# Allegro board T736_DEMO_DBOARD_V0-5-draft.brd (continued)
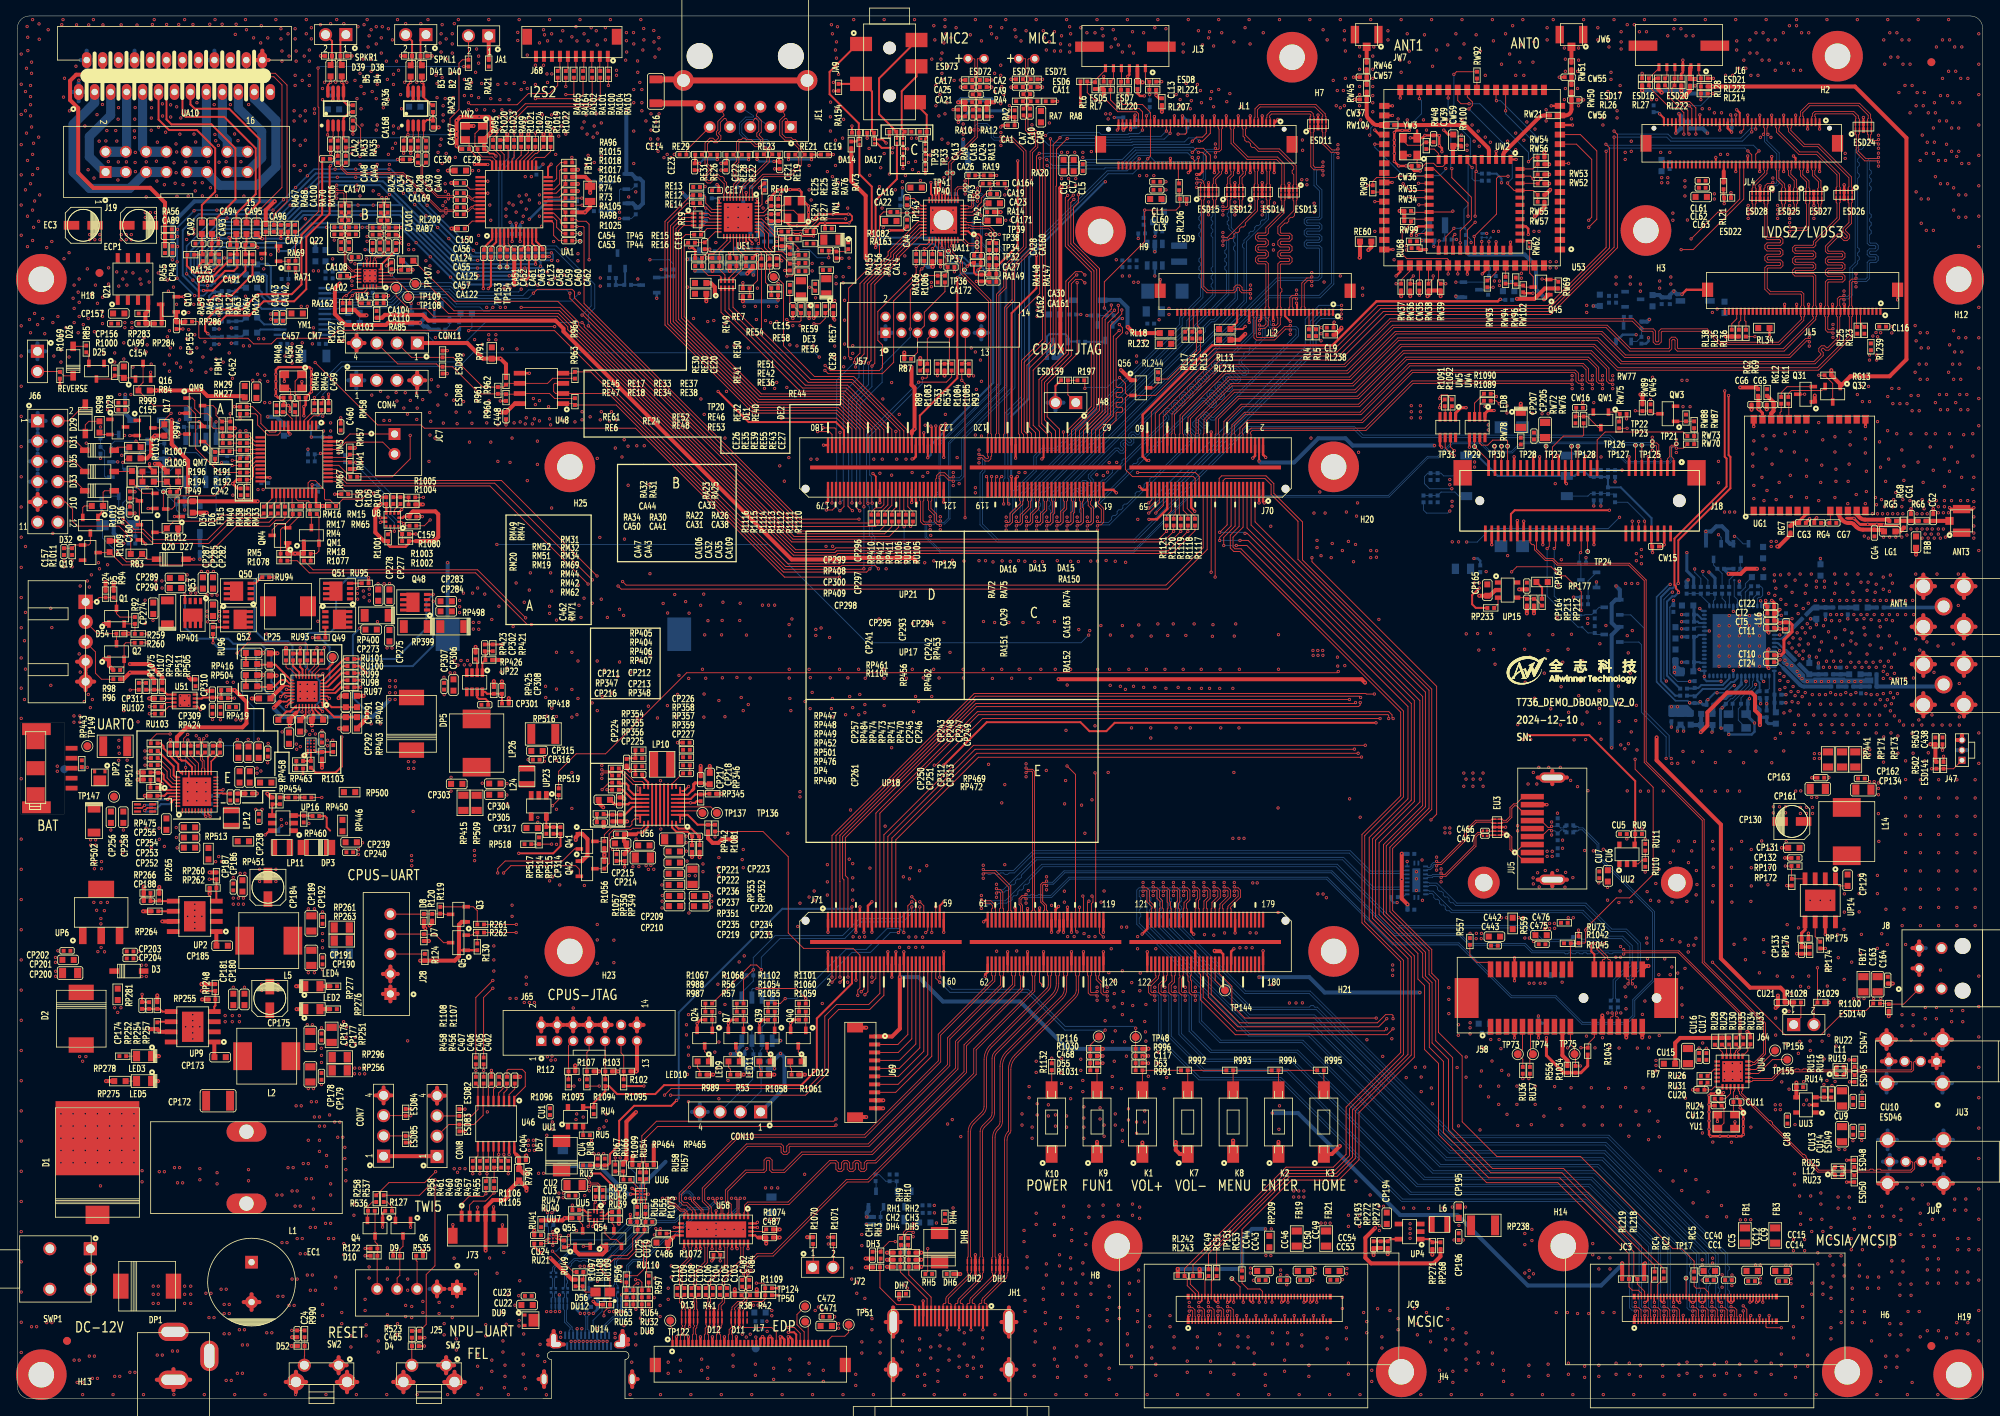
[diagram p0: board, top side]
## Routing (per net, layer and track width the routed paths; a pad name or vN(x,y) marks a point on that pad's centre or on a via; arc(x,y) is an arc through that point) (continued)
  BOTTOM w0.254: RU38.2 CU18.2 73.01,24.39 v1(72.82,24.21)
N21714047: length 2.2
  TOP w0.114: Q22.1 33.93,142.56 RA69.1 RA71.2
N21965042: length 1.9
  TOP w0.114: UM3.17 29.37,118.48 RM69.2
N22129963: length 2.3
  TOP w0.114: QW3.1 RW88.2 RW87.1
N22132037: length 2
  TOP w0.203: v1(25.78,76.33) 25.73,76.27 UP18.16
  BOTTOM w0.254: v1(25.78,76.33) 25.78,76.25 CP244.2
N22132067: length 2.4
  TOP w0.254: UP16.4 31.92,74.46 RP458.1 RP454.1
N22132074: length 2.4
  TOP w0.254: RP450.2 36.93,73.07 RP460.1 35.86,73.09 UP16.3
N22132077: length 2.8
  TOP w0.254: RP450.1 38.53,73.03 38.75,72.81 38.75,71.63 39.18,71.2
N22132080: length 2.1
  TOP w0.254: UP16.6 31.57,71.19 v1(31.05,70.66)
  BOTTOM w0.254: RP459.1 31.51,71.12 v1(31.05,70.66)
N22132110: length 4.6
  TOP w0.254: RP484.2 19.99,80.56 v1(20.31,80.24) 20.57,79.97 21.07,79.97 21.88,79.16 UP18.27
  BOTTOM w0.254: CP260.2 19.65,80.9 v1(20.31,80.24)
N22132190: length 2.5
  TOP w0.254: RP453.1 38.67,81.06 38.67,81.06 RP462.2 37.41,81.06 UP17.C1
N22132221: length 5.7
  TOP w0.203: v1(18.83,75.1) 18.83,75.2 19.1,75.47 UP18.37 ; RP475.5 15.61,74.04 v1(15.93,74.36)
  BOTTOM w0.254: v1(15.93,74.36) 15.99,74.43 CP259.1 17.19,74.43 17.86,75.1 v1(18.83,75.1)
N22132227: length 6
  TOP w0.203: RP475.2 16.28,74.04 v1(15.95,73.71) ; UP18.38 19.57,75.07 v1(19.3,74.8)
  BOTTOM w0.254: v1(19.3,74.8) 19.3,74.76 19.05,74.51 18.01,74.51 17.08,73.58 CP259.2 16.08,73.58 v1(15.95,73.71)
N22132254: length 1.7
  TOP w0.203: UP18.8 23.48,73.1 v1(23.61,72.97)
  BOTTOM w0.254: v1(23.61,72.97) 23.06,73.52 RP491.1
N22132255: length 1.6
  TOP w0.203: UP18.9 23.88,73.33 24.14,73.06 v1(24.14,72.97)
  BOTTOM w0.254: v1(24.14,72.97) 24.23,73.06 RP492.1
N22132281: length 1.8
  TOP w0.203: 25.75,75.84 25.72,75.87 UP18.15
  TOP w0.254: CP250.2 25.75,75.84
N22132296: length 2.8
  TOP w0.112: RP470.2 23.17,80.66 23.17,80.17 23.4,79.94 23.4,79.04 23.48,78.95 UP18.23
N22132297: length 2.8
  TOP w0.112: RP471.2 22.93,80.66 22.93,80.07 23.16,79.84 23.16,79.04 23.08,78.95 UP18.24
N22132299: length 2.7
  TOP w0.203: UP18.36 18.72,75.87
  TOP w0.254: RP490.2 18.41,75.56 18.72,75.87
N22132301: length 1
  TOP w0.508: RP472.1 28.55,75.84 CP251.1
N22132398: length 3
  TOP w0.203: UP18.21 24.28,79.86 CP246.1
N22132400: length 2.8
  TOP w0.203: CP245.1 23.88,80.35 UP18.22
N22323733: length 15.4
  TOP w0.114: J18.17 197.91,120.16 198.91,121.16 208.7,121.16 RW73.1
N22345920: length 8.6
  TOP w0.114: RW76.1 196.22,120.78 196.09,120.65 193.68,120.65 192.31,119.28 J18.31
N22346232: length 2.3
  TOP w0.114: J18.20 196.71,106.19 TP24.1
N22346818: length 2.9
  TOP w0.114: J18.13 TP126.1
N22346864: length 2.9
  TOP w0.114: J18.11 TP125.1
N22347105: length 2.7
  TOP w0.114: J18.23 TP127.1
N22347115: length 2.7
  TOP w0.114: J18.25 TP128.1
N22348557: length 2.7
  TOP w0.114: TP27.1 J18.33
N22439362: length 1.3
  TOP w0.114: UU6.C1 78.69,25.1 RU55.1
N22439364: length 1.3
  TOP w0.114: UU6.A1 77.65,25.12 RU56.1
N22446567: length 2.7
  TOP w0.203: 19.27,76.27 UP18.35
  TOP w0.254: DP4.2 17.91,76.58 18.21,76.27 19.27,76.27
N22477760: length 1.6
  TOP w0.114: RU58.1 78.16,27.34 UU6.B3
N22477763: length 1.6
  TOP w0.114: UU6.C3 78.56,27.28 RU57.1
N22477846: length 2.4
  TOP w0.076: 77.72,26.49 77.96,26.26 77.96,25.83 UU6.B2
  TOP w0.114: 77.72,26.49 76.78,27.44 RU59.1
N22983617: length 4.2
  TOP w0.254: U56.6 84.37,75.17 84.93,75.74 RP346.1 86.07,75.74 86.15,75.82 RP345.2
N22984469: length 5.2
  TOP w0.254: U56.22 77.09,74.17 76.12,73.2 CP213.1 RP348.1 73.53,73.2 RP347.1
N22984485: length 1
  TOP w0.254: CP216.1 RP347.2
N22987247: length 7.2
  TOP w0.508: RP353.2 v1(84.52,67.88)
  L3 w0.381: v1(84.52,67.88) 84.52,66.64 84.12,66.24 81.6,66.24 81.24,65.89 81.24,64.88 v1(80.75,64.39)
N22987298: length 4.8
  TOP w0.254: U56.29 82.52,71.76 82.83,71.45 84.42,71.45 CP223.2 85.47,70.4 RP352.1
N22987301: length 4.6
  TOP w0.254: U56.28 82.02,71.59 82.55,71.06 83.97,71.06 CP223.1 84.52,70.46 RP353.1
N22987974: length 2.2
  TOP w0.254: CP224.1 76.41,80.26 RP355.2 RP354.2
N22988287: length 1
  TOP w0.254: CP225.1 RP356.1
N22988714: length 1
  TOP w0.114: CP227.1 RP359.2
N23045095: length 2.6
  BOTTOM w0.114: RL228.2 141.27,146.98 RL227.2 141.27,145.01 UL1.4
N23087687: length 3.7
  TOP w0.114: U56.18 77.73,76.71 77.46,76.99 77.14,76.99 75.77,78.36 75.61,78.36 RP404.2
N23087708: length 4.3
  TOP w0.114: RP405.2 75.63,78.71 75.92,78.71 77.29,77.34 78.28,77.34 78.52,77.11 U56.17
N23087828: length 3.4
  TOP w0.254: RP407.2 75.82,76.33 76.97,75.17 U56.20
N23087831: length 3.8
  TOP w0.254: RP406.2 75.47,77.1 76.28,77.1 76.56,76.82 76.56,76.38 77.26,75.67 U56.19
N23169507: length 11.3
  TOP w0.112: JU3.2 237.67,42.28 237.56,42.16 237.56,41.21 237.3,40.96 230.56,40.96 ESD45.2 229.75,40.96 229.17,40.96 RU19.2
N23169508: length 10.9
  TOP w0.112: JU3.3 237.21,42.28 237.32,42.16 237.32,41.31 237.21,41.2 230.56,41.2 ESD47.2 229.75,41.2 229.17,41.2 RU22.2
N23169528: length 11.5
  TOP w0.112: RU23.2 228.95,28.4 229.71,28.4 ESD50.2 230.53,28.4 237.27,28.4 237.68,28.81 237.68,29.59 237.79,29.7 JU4.2
N23169529: length 11.4
  TOP w0.112: RU25.2 228.95,28.64 229.71,28.64 ESD48.2 230.53,28.64 230.92,28.64 231.04,28.76 231.38,28.76 231.5,28.64 231.99,28.64 232.11,28.76 232.45,28.76 232.57,28.64 232.91,28.64 233.03,28.76 233.37,28.76 233.49,28.64 237.17,28.64 237.44,28.91 237.44,29.59 237.33,29.7 JU4.3
N23225390: length 4.2
  TOP w0.114: J25.3 50.07,17.21 49.96,17.33 R535.2
N23225407: length 6.9
  TOP w0.114: Q6.3 48.31,19.1 47.92,18.71 D9.2 47.92,15.46 47.57,15.11 J25.4
N23225411: length 9.9
  TOP w0.114: J25.5 45.07,17.88 D10.2 R122.1 45.1,19.36 44.81,19.66 Q4.3 44.81,23.51 R536.2
N23225519: length 3.1
  TOP w0.114: Q4.2 43.86,23.01 43.92,23.08 R536.1 43.92,24.11 44.46,24.65 R258.1
N23225586: length 3.2
  TOP w0.114: R537.1 46.35,24.65 46.93,24.06 R127.2 47.36,23.12 Q6.2
N23229128: length 2.4
  TOP w0.114: R1054.2 R1055.2 94.87,47.48 Q39.1
N23229168: length 2.1
  TOP w0.114: LED11.2 94.38,43.04 93.92,43.49 Q39.3
N23229189: length 1.7
  TOP w0.114: LED11.1 92.95,41.49 93.15,41.29 R1058.1
N23229204: length 2.4
  TOP w0.114: Q40.1 98.78,47.5 R1059.2 R1060.2
N23229233: length 2.1
  TOP w0.114: Q40.3 97.83,43.47 98.25,43.05 LED12.2
N23229265: length 1.7
  TOP w0.114: R1061.1 96.98,41.34 96.82,41.5 LED12.1
N23258675: length 1.4
  TOP w0.114: RW92.2 182.84,165.45 U53.24
N23258767: length 2.4
  TOP w0.114: U53.59 185.24,141.18 184.22,140.15 RW93.2
N23258775: length 1.4
  TOP w0.114: RW94.2 186.44,140.62 U53.60
N23263833: length 1.7
  TOP w0.508: 238.25,53.11 J8.2 237.42,53.94
N23264918: length 1.9
  TOP w0.114: J68.5 69.97,166.66 RA102.2
N23264955: length 1.9
  TOP w0.114: RA100.2 71.97,166.45 J68.3
N23264967: length 1.9
  TOP w0.114: J68.4 70.97,166.52 RA101.2
N23264979: length 1.9
  TOP w0.114: J68.1 73.97,166.49 RA103.1
N23264991: length 1.9
  TOP w0.114: J68.2 72.97,166.47 RA104.1
N23292571: length 2.4
  BOTTOM w0.254: RA137.2 27.39,135 RA136.2 28.16,135.04 CA165.2
N23292575: length 2.4
  BOTTOM w0.254: RA138.2 27.39,133.1 RA135.2 28.16,133.14 CA166.2
N23292599: length 2.2
  BOTTOM w0.254: RA117.2 27.35,142.04 RA121.2 27.48,142.16 CA146.2
N23292601: length 2.2
  BOTTOM w0.254: CA148.2 27.52,140.89 RA120.2 26.5,140.81 RA118.2
N23292656: length 2.3
  BOTTOM w0.254: CA149.2 27.82,139.24 RA119.2 27.39,138.81 RA122.2
N23292678: length 2.3
  BOTTOM w0.254: CA150.2 28.41,136.95 RA116.2 26.5,136.95 RA123.2
N23292773: length 3.9
  BOTTOM w0.114: RL237.2 55.52,135.09 RA143.2 54.92,134.92 54.67,135.17 Q47.1 54.14,134.51 RA132.2
N23300990: length 4.5
  BOTTOM w0.114: Y5.2 21.36,122.36 R965.2 C451.1 21.08,121.58 U43.1
N23301004: length 4.4
  BOTTOM w0.114: U43.2 22.35,121.37 R965.1 C450.1 23.83,123.42 Y5.1
N23302031: length 41.6
  L3 w0.508: v1(53.91,104.78) 53.68,105 33.81,105 33.02,105.79 23.43,105.79 v1(22.86,105.22)
  BOTTOM w0.508: BT4.2 v1(53.91,104.78) ; R1032.1 v1(22.86,105.22)
N23323640: length 1.1
  TOP w0.114: CA160.2 RA147.1
N23323642: length 1.1
  TOP w0.114: CA28.2 RA148.1
N23324798: length 0.8
  TOP w0.254: RA152.2 113.74,154.61 CA163.2
N23324800: length 0.8
  TOP w0.254: RA151.2 110.95,155.37 CA29.2
N23523036: length 3.7
  TOP w0.254: RA125.2 23.2,143.38 RA59.2 23.16,143.51 CA90.2 23.11,144.82 CA92.1
N23523040: length 3.6
  TOP w0.254: RA124.2 RA61.2 24.34,143.51 CA91.2 24.38,144.82 CA93.1
N23523124: length 3.5
  TOP w0.254: CA94.1 27.43,144.67 CA98.2 27.5,143.48 RA63.2 RA127.2
N23523128: length 3.5
  TOP w0.254: CA95.1 28.7,144.75 CA97.2 28.56,143.44 RA64.2 RA126.2
N23596381: length 3
  TOP w0.114: J72.1 99.69,16.54 R1070.1
N23597132: length 2
  TOP w0.114: U58.40 93.56,20.96 R1074.2
N23597135: length 1.9
  TOP w0.114: R1073.2 81.66,20.7 81.92,20.96 U58.20
N23636784: length 3.5
  TOP w0.114: SW3.2 49.41,6.57 D4.2 49.44,7.63 R523.2
N23636814: length 3.5
  TOP w0.114: SW2.2 35.95,5.33 35.98,5.37 D52.2 35.98,7.66 35.98,7.67 R990.2
N23810664: length 3.8
  TOP w0.114: UW2.21 175.5,146.03 v1(175.26,145.8)
  BOTTOM w0.114: LW2.1 175.58,145.8 v1(175.26,145.8)
N23810668: length 3.8
  TOP w0.114: UW2.23 178.05,145.05 v1(178.1,145.11)
  BOTTOM w0.114: LW2.2 178.82,147.04 CW23.2 178.64,145.11 v1(178.1,145.11)
N23810679: length 4
  TOP w0.114: UW2.24 178.95,145.63 179.96,146.63 v1(179.96,146.69)
  BOTTOM w0.114: v1(179.96,146.69) RW101.2
N23810714: length 1.3
  TOP w0.114: UW2.34 189.15,145.13 RW62.1
N23810750: length 14.4
  TOP w0.508: UW2.4 184.35,156.46 arc(184.31,156.65) 184.2,156.82 181.61,159.41 arc(181.36,159.58) 181.06,159.63 RW104.1
N23810913: length 8.5
  TOP w0.508: UW2.2 186.15,155.89 arc(186.19,156.09) 186.3,156.25 190.57,160.52 arc(190.92,160.75) 191.33,160.83 RW21.1
N23815956: length 2.8
  TOP w0.114: RC49.2 148.78,14.92 JC9.12
N23816006: length 4.4
  TOP w0.114: RC53.2 153.42,14.48 154.15,13.74 155.68,13.74 155.97,13.44 JC9.48
N23816097: length 2.9
  TOP w0.114: JC9.16 149.58,14.7 RC51.2
N23844083: length 4.2
  TOP w0.203: UP21.8 38.26,90.05 39.05,90.84
  TOP w0.254: 39.05,90.84 40.92,92.71 RU101.1
N23844097: length 3.4
  TOP w0.203: UP21.4 39.83,88.45
  TOP w0.254: RU97.1 40.54,89.15 39.83,88.45
N23844099: length 3.6
  TOP w0.203: UP21.5 39.55,88.85
  TOP w0.254: RU98.1 40.74,90.04 39.55,88.85
N23844101: length 3.8
  TOP w0.203: UP21.6 38.92,89.25
  TOP w0.254: RU99.1 40.6,90.93 38.92,89.25
N23844103: length 4.1
  TOP w0.203: UP21.7 38.62,89.65 39.29,90.32
  TOP w0.254: RU100.1 40.79,91.82 39.29,90.32
N23844111: length 3.9
  TOP w0.114: UP21.10 37.32,90.88 37.9,91.45 38.81,91.45
  TOP w0.254: 38.81,91.45 39.5,92.14 TP129.1
N23844128: length 6.5
  TOP w0.254: RP504.2 v1(27.19,87.8) ; U51.1 22.56,86.75 v1(22.95,86.36)
  L3 w0.254: v1(27.19,87.8) 25.76,86.36 v1(22.95,86.36)
N23844142: length 4.3
  TOP w0.254: U51.3 23.11,87.75 23.24,87.88 CP310.2 25.45,87.88 RP504.1 RP416.1
N23844152: length 1.5
  TOP w0.254: U51.6 18.08,87.75 CP311.1
N23844292: length 2.7
  TOP w0.254: CP301.1 58.98,87.37 58.65,87.71 57.81,87.71 57.6,87.91 UP22.7
N23844300: length 3.9
  TOP w0.254: UP22.1 58.25,92.2 RP426.2 58.63,93.6 CP302.2 RP421.1
N23844330: length 3.8
  TOP w0.254: UP22.8 58.6,88.59 58.84,88.35 RP425.2 CP308.1 60.71,87.21 60.71,87.2 RP418.1
N23844338: length 1.8
  TOP w0.254: RP423.2 57.6,92.47 UP22.2
N23844694: length 1.4
  TOP w0.254: CP299.1 RP408.1
N23844713: length 1.4
  TOP w0.254: CP300.1 RP409.1
N23844808: length 14.2
  TOP w0.508: RP403.2 43.31,84.76 43.31,84.87 43.81,85.37 v1(43.81,86.11)
  BOTTOM w0.254: v1(42.9,96.56) 42.04,95.7 42.04,87.88 v1(43.81,86.11)
N23846021: length 1.8
  TOP w0.254: RU94.2 30.59,102.96 29.83,102.19 Q50.4
N23846027: length 1.5
  TOP w0.254: RU95.1 43.15,102.19 Q51.4
N23846039: length 1.6
  TOP w0.254: Q52.4 24.51,96.69 RU96.1
N23859774: length 3.1
  TOP w0.114: RA156.2 v1(113.61,144.15) 113.92,144.15 114.63,144.85 UA11.32
  BOTTOM w0.114: RA156.2 v1(113.61,144.15)
N23859796: length 3.6
  TOP w0.114: UA11.31 114.23,144.96 113.92,144.65 113.11,144.65 v1(112.6,144.15) RA155.2
  BOTTOM w0.114: RA155.2 v1(112.6,144.15)
N23860058: length 2.6
  TOP w0.114: UA11.33 115.03,144.54 v1(114.63,144.15) RA17.2
  BOTTOM w0.114: RA17.2 v1(114.63,144.15)
N23860144: length 1.9
  TOP w0.114: UA11.34 115.43,144.71 115.41,144.7 115.41,143.68 CA14.2
N23860176: length 3.1
  TOP w0.114: UA11.22 112.93,149.13 v1(112.8,149.25)
  BOTTOM w0.114: CA15.1 112.51,149.54 v1(112.8,149.25)
N23860178: length 2.4
  TOP w0.114: CA22.1 111.7,149.59 112.56,148.73 UA11.23
N23860180: length 0.8
  TOP w0.203: UA11.16 115.83,151.01 v1(115.87,151.05)
  vias: v1(113.13,152.68)
N23860186: length 2.4
  TOP w0.114: CA22.2 112.33,150.44 113.24,149.53 UA11.21
N23860239:
  vias: v1(120.71,148.34) v1(123.7,150.88) v1(123.83,147.7) v1(124.33,150.88) v1(124.46,147.7)
N23860247: length 3.8
  TOP w0.114: CA23.2 121.26,149.83 119.76,148.33 UA11.7
N23860249: length 6
  TOP w0.114: UA11.8 119.62,148.73 120.34,149.45 120.34,149.55 120.76,149.97 120.76,150.47 121.28,151 CA19.2 121.88,151.59 v1(121.92,151.64)
  BOTTOM w0.114: v1(121.92,151.64) 121.88,151.59 CA19.2
N23860283: length 3.2
  TOP w0.114: UA11.5 118.87,147.53 118.97,147.42 121.32,147.42 CA171.2
N23860353: length 1.1
  TOP w0.114: CA26.1 RA19.1
N23860381: length 1.1
  TOP w0.114: CA164.1 RA20.1
N23955200: length 2
  TOP w0.508: JW7.3 RW46.2
N23955219: length 1.9
  TOP w0.508: RW46.1 CW57.2 RW45.2
N23955323: length 2
  TOP w0.508: JW6.3 RW51.2
N23955325: length 1.9
  TOP w0.508: RW50.2 CW55.2 RW51.1
N23956549: length 1.3
  TOP w0.114: CA61.1 60.47,141.85 TP153.1
N23956551: length 1.3
  TOP w0.114: CA63.1 61.36,141.85 TP154.1
N23986900: length 4.6
  TOP w0.114: RU24.2 213.49,36.73 CU12.1 213.79,36.44 213.79,34.54 213.1,33.85 YU1.3
N24060560: length 2.8
  TOP w0.508: RG6.1 CG1.2 RG8.2 RG5.2
N24060562: length 2
  TOP w0.114: RG11.2 221.92,124.64 UG1.20
N24060563: length 2
  TOP w0.114: UG1.21 220.82,123.59 220.96,123.73 RG12.2
N24060583: length 3
  TOP w0.508: RG6.2 CG2.2 ANT3.3
N24060598: length 1.3
  TOP w0.508: LG1.2 235.86,108.7 RG8.1
N24110289: length 4.6
  TOP w0.114: CW39.1 177.4,157.47 RW48.2 176.24,157.47 175.87,157.1 174.17,157.1 173.6,157.67 YW3.3
N24136596: length 3
  TOP w0.114: RU109.1 RU108.1 70.82,13.72 71.17,13.36 D56.1
N24164377: length 2.2
  TOP w0.114: R73.1 68.65,149.59 UA1.17
N24164378: length 2.3
  TOP w0.114: UA1.18 68.29,150.09 R74.1
N24164392: length 1
  TOP w0.114: TP44.1 70.41,145.14 CA53.1
N24164393: length 1
  TOP w0.114: CA54.1 TP45.1
N24164400: length 4
  BOTTOM w0.254: C152.1 R79.1 75,139.6 R80.2 76.13,139.7 Q12.1
N24164404: length 1.3
  BOTTOM w0.254: R80.1 78.12,139.6 Q14.3
N24164420: length 2.1
  BOTTOM w0.254: R81.2 R199.2 81.13,140.52 Q14.1
N24227962: length 3.4
  BOTTOM w0.114: TP46.1 215.09,100.56 215.47,100.17 UT1.56
N24228017: length 1.5
  BOTTOM w0.114: CT9.2 221.44,97.72 UT1.3
N24228051: length 1.7
  BOTTOM w0.114: UT1.53 213.97,99.9 213.56,100.3 RT4.1
N24228053: length 1.6
  BOTTOM w0.114: UT1.54 214.47,100.88 RT3.1
N24228100: length 6.8
  BOTTOM w0.254: UT1.24 215.97,89.76
  BOTTOM w0.381: CT31.2 213.27,87.77 214.03,87.77 214.46,88.21 214.66,88.21 215.97,89.52 215.97,89.76
  BOTTOM w0.508: CT31.2 212.46,85.92 FB13.2
N24228140: length 5.1
  BOTTOM w0.254: CT29.2 218.26,89.72 217.97,90.01 UT1.20
  BOTTOM w0.381: L23.1 218.26,86.43 217.63,87.07 217.63,88.24 218.05,88.66 CT29.2
N24228160: length 5.3
  BOTTOM w0.254: UT1.16 220.1,88.26 CT27.2
  BOTTOM w0.381: L22.2 220.12,86.2 CT28.2 CT27.2
N24228229: length 2.1
  BOTTOM w0.508: CT23.2 RT15.2 CT25.1
N24228231: length 7.1
  BOTTOM w0.254: CT26.1 210.77,92.3 210.85,92.22 UT1.35 ; CT14.2 210.39,95.48 210.63,95.72 UT1.42
  BOTTOM w0.381: FB11.1 210.05,91.25 CT26.1 CT14.2
N24228241: length 4.5
  BOTTOM w0.254: 221.62,95.79 221.24,95.41 arc(221.03,95.27) 220.77,95.22 UT1.8
  BOTTOM w0.508: 221.62,95.79 CT17.1
N24228256: length 7.6
  BOTTOM w0.46: CT15.1 241.18,99.16 ANT4.1
N24228353: length 2.1
  BOTTOM w0.114: CT30.2 219.47,88.98 UT1.17
N24228355: length 3.4
  BOTTOM w0.254: UT1.9 220.44,94.72 arc(220.53,94.7) 220.62,94.65 221.54,93.73
  BOTTOM w0.508: 221.54,93.73 CT19.1
N24228368: length 4.9
  BOTTOM w0.254: UT1.45 210.68,97.22 210.51,97.38 CT7.2 ; UT1.46 211.02,97.72 210.46,98.27 CT6.2
  BOTTOM w0.381: CT7.2 CT6.2 210.05,99.32 RT9.1
N24228385: length 8.3
  BOTTOM w0.254: 221.23,91.57 220.92,91.88 arc(220.55,92.13) UT1.14
  BOTTOM w0.508: 221.23,91.57 223.32,89.48 arc(223.57,89.31) 223.86,89.26 L21.1
N24228387: length 10
  BOTTOM w0.508: ANT5.1 241.06,89.26 CT23.1 CT20.1
N24228417: length 5.9
  BOTTOM w0.114: Y4.3 214.87,86.32 CT33.1 214.87,87.27 216.97,89.36 UT1.22
N24228419: length 7.7
  BOTTOM w0.114: Y4.1 215.59,85.04 215.59,86.46 215.93,86.8 CT32.1 215.93,87.82 217.37,89.25 217.37,89.89 217.47,89.99 UT1.21
N24228435: length 1.7
  TOP w0.114: CT24.2 220.52,92.3 v1(220.83,92.61)
  BOTTOM w0.114: UT1.13 220.76,92.72 220.83,92.66 v1(220.83,92.61)
N24228483: length 1.1
  BOTTOM w0.508: CT25.2 L21.2
N24228516: length 3.7
  BOTTOM w0.508: CT16.1 RT11.1 L17.1 224.99,99.16 CT17.2
N24228545: length 2.3
  TOP w0.381: CT11.1 220.21,96.49 v1(220.8,96.49) 220.84,96.45 L16.2
  BOTTOM w0.254: v1(220.8,96.49) 220.57,96.72 UT1.5
N24228560: length 2
  BOTTOM w0.508: L18.2 CT13.2 CT16.2
N24228562: length 1.2
  BOTTOM w0.508: L18.1 CT15.2
N24228564: length 1.2
  BOTTOM w0.508: L20.1 CT20.2
N24228625: length 3.8
  BOTTOM w0.508: CT18.1 RT12.2 L19.2 CT19.2
N24228645: length 2
  BOTTOM w0.508: L20.2 CT21.2 CT18.2
N24228760: length 1.7
  BOTTOM w0.114: UT1.59 216.97,100.71 CT4.2
N24228762: length 1.8
  BOTTOM w0.114: CT4.1 217.47,100.36 UT1.60
N24228764: length 3.3
  BOTTOM w0.114: CT3.1 218.39,101.83 218.64,101.57 218.64,100.69 218.39,100.43 218.13,100.43 217.97,100.27 UT1.61
N24228768: length 2.8
  BOTTOM w0.114: CT3.2 216.47,101.1 UT1.58
N24228772: length 4.4
  BOTTOM w0.114: UT1.57 215.97,100.65 CT1.1 215.72,100.94 216.48,101.7 216.48,102.16 L15.2
N24228862: length 1.4
  BOTTOM w0.114: UT1.44 210.27,96.72 CT12.1
N24386993: length 1.9
  TOP w0.114: J68.6 68.97,166.68 RA164.2
N24386996: length 1.9
  TOP w0.114: RA165.2 67.97,166.69 J68.7
N24801452: length 1.7
  TOP w0.114: UM3.28 33.42,111.91 RM33.2
N24801453: length 1.8
  TOP w0.114: UM3.27 32.92,112.09 RM35.2
N24801454: length 2
  TOP w0.114: UM3.26 32.42,112.47 RM38.1
N24801455: length 2.1
  TOP w0.114: UM3.25 31.92,112.86 RM40.1
N24801457: length 3.4
  TOP w0.114: RM41.2 40.28,116.98 UM3.41
N24801458: length 2.6
  TOP w0.114: RM42.2 29.08,116.08 29.21,116.2 29.21,116.84 29.85,117.48 UM3.19
N24801459: length 2.1
  TOP w0.114: RM44.2 29.76,117.98 UM3.18
N24801481: length 6.4
  TOP w0.114: RM29.2 29.46,124.33 30.51,123.29 30.51,122.22 31.58,121.15 32.3,121.15 32.42,121.27 UM3.11
N24801482: length 1.8
  TOP w0.114: UM3.15 29.75,119.48 29.46,119.76 RM32.2
N24801483: length 1.7
  TOP w0.114: RM34.2 28.85,118.98 UM3.16
N24801484: length 7
  TOP w0.114: UM3.10 32.92,121.06 32.64,120.78 31.37,120.78 30.1,122.05 30.1,123.19 29.84,123.44 RM27.2
N24801485: length 2.5
  TOP w0.114: RM46.1 35.92,122.62 UM3.4
N24801486: length 3
  TOP w0.114: UM3.3 36.42,122.53 37.08,123.19 37.72,123.19 37.79,123.26 37.79,123.28 38.03,123.53 38.06,123.53 38.1,123.57 RM45.2
N24801512: length 9.3
  TOP w0.114: JC7.2 45.77,119.89 41.16,119.89 40.25,118.98 UM3.45
N24801515: length 8.9
  TOP w0.114: UM3.46 40.27,119.48 40.59,119.8 40.59,119.83 41.66,120.91 JC7.1
N24875732: length 3.4
  TOP w0.114: R1110.1 112.19,111.15 111.55,111.79 J70.139
N24875765: length 3.2
  TOP w0.114: R1111.1 111.3,111.18 111.05,111.43 J70.141
N24875790: length 3.2
  TOP w0.114: J70.143 110.55,110.93 R1112.1
N24875815: length 3.3
  TOP w0.114: R1113.1 109.55,111.2 110.05,111.7 J70.145
N24875840: length 3.5
  TOP w0.114: R1114.1 108.69,111.1 109.55,111.97 J70.147
N24875865: length 3.8
  TOP w0.114: R1115.1 107.82,111.12 107.98,111.28 108.31,111.28 109.05,112.02 J70.149
N24875890: length 4.2
  TOP w0.114: J70.151 108.55,112.03 108.18,111.66 107.49,111.66 106.98,111.15 R1116.1
N24876066: length 4
  TOP w0.114: R1117.1 147.52,110.59 146.55,111.56 J70.39
N24876091: length 3.9
  TOP w0.114: R1118.1 146.63,110.77 146.05,111.35 J70.41
N24876117: length 3.7
  TOP w0.114: J70.43 145.55,110.81 145.75,110.62 R1119.1
N24876143: length 3.7
  TOP w0.114: R1120.1 144.86,110.64 145.05,110.84 J70.45
N24876169: length 3.9
  TOP w0.114: J70.47 144.55,111.28 143.97,110.69 R1121.1
N24909877: length 21.5
  TOP w0.254: v1(62.81,68.35) 67.13,68.35 68.05,69.27 CP314.2 RP515.1
  L4 w0.254: v1(63.98,80.09) 62.69,80.09 62.18,79.58 62.18,76.23 62.81,75.59 v1(62.81,68.35)
N24909903: length 3.1
  TOP w0.254: UP23.5 66.27,71.65 RP514.2 RP515.2 CP314.1
N24909907: length 10.6
  TOP w0.114: UP23.1 67.8,75.63 RP519.1 67.82,75.09 v1(67.05,74.32) ; v1(66.93,69.5) RP517.1 65.35,69.49 RP518.1
  L4 w0.114: v1(66.93,69.5) 67.05,69.62 v1(67.05,74.32)
N24956838: length 2
  TOP w0.254: UU3.3 226.35,37.77 RU15.2 RU16.2
N25086175: length 2.5
  TOP w0.114: K10.2 129.58,38.69 R1132.2
N25294430: length 1.3
  TOP w0.114: R192.2 R191.1
N25294432: length 16.6
  TOP w0.114: v1(26.29,114.71) 24.74,113.16 20.09,113.16 19.71,112.78 19.71,111.86 19.35,111.51 D36.3 18.4,111.51 18.29,111.62 TP49.1 C242.1 19.13,114.52 R192.1 R194.1
  BOTTOM w0.114: R193.2 v1(26.29,114.71)
N25294440: length 1.3
  TOP w0.114: R194.2 R196.1
N25403253: length 1.9
  TOP w0.254: 19.52,61.09 RP264.2
N25403271: length 3.9
  TOP w0.254: UP2.5 17.86,62.36 RP265.2 17.7,62.36 CP188.1 RP266.1
N25403283: length 1.8
  TOP w0.508: CP185.2 24.93,56.79 UP2.1
N25403341: length 14
  TOP w0.508: v1(169.9,18) CP193.2 RP272.1
  L4 w0.508: v1(169.9,18) 170.93,19.02 177.9,19.02 v1(180.59,21.72)
N25403367: length 2.7
  TOP w0.254: RP268.1 RP271.1 176.88,19.99 UP4.1
N25403369: length 3.3
  TOP w0.254: UP4.5 171.94,19.99 RP273.2 RP272.2 CP193.1
N26123481: length 31.2
  TOP w0.114: CA96.2 29.97,148.64 33.15,151.81 33.15,164.67 32.13,165.68 23.37,165.68 22.68,166.37 UA10.16
N26123483: length 35.8
  TOP w0.508: RA55.1 CA89.1 RA56.2 18.5,149.9 16.64,151.76 9.5,151.76 7.62,153.64 7.62,161.75 6.6,162.76 6.6,165.18 7.37,165.94 10.29,165.94 10.69,166.34 UA10.4
N26123504: length 23.2
  TOP w0.254: CA95.2 28.7,148.36 30.34,150 30.34,157.87 26.54,161.67 22.22,161.67 21.68,162.21 UA10.15
N26123506: length 28
  TOP w0.254: UA10.14 20.69,161.05 21.08,160.66 25.92,160.66 29.86,156.71 29.86,150.97 27.43,148.54 CA94.2
N26123508: length 28.1
  TOP w0.254: CA93.2 27.32,150.33 27.32,156.71 24.32,159.72 19.3,159.72 18.68,160.34 UA10.12
N26123512: length 22
  TOP w0.254: UA10.11 17.69,160.32 19,159 22.49,159 24.78,156.71 24.78,151.27 23.11,149.61 CA92.2
N26123853: length 3.9
  TOP w0.114: Q22.3 31.11,143.85 RA67.1 RA68.2
N26176759: length 4.3
  TOP w0.508: RP284.2 CA99.2 RP283.1 16.38,136.35 Q21.4
N194797707: length 5.6
  TOP w0.114: UU4.9 218.13,40.76 219.86,42.49 TP155.1
N194797708: length 4.4
  TOP w0.114: UU4.10 217.81,41.26 TP156.1
N232367771: length 1.8
  TOP w0.254: U56.16 79.02,77.24 78.28,77.98 CP225.2
N232372268: length 2.2
  TOP w0.114: CP227.2 83.31,78.36 82.02,77.07 U56.10
N237329190: length 1
  TOP w0.254: RP476.2 16.68,77.6 DP4.1
N238454053: length 1.3
  TOP w0.254: RU93.2 38.59,96.68 Q49.4

## Copper pours and planes (outline as drawn; the poured copper is in the pictures)
3V3-STBY on TOP: 28.78,126.52 26.87,126.52 26.09,127.3 26.09,127.94 26.44,128.3 28.65,128.3 28.85,128.09 28.85,126.59
3V3-STBY on TOP: 208.41,128.14 219.33,128.14 219.65,127.83 219.65,126.43 219.46,126.24 218.9,126.24 218.85,126.29 218.85,126.97 218.69,127.13 208.41,127.13 208.28,127.25 208.28,128.02
3V3-STBY on TOP: 13.89,50.34 11.73,50.34 11.48,50.09 11.48,48.34 11.49,48.32 11.49,42.91 11.81,42.6 12.88,42.6 13.03,42.75 13.03,46.81 14.2,47.98 14.2,50.04
3V3-STBY on L3: 12.88,125.45 25.35,125.45 28.69,128.79 32.8,128.79 35.1,126.49 39.88,126.49 41.86,128.47 51.64,128.47 54,126.11 64.14,126.11 65.79,127.76 96.8,127.76 98.7,125.86 113.28,125.86 117.47,121.67 170.05,121.67 176.02,127.64 180.34,127.64 182.69,129.98 199.71,129.98 203.58,126.11 210.44,126.11 210.57,126.24 210.57,127.64 210.31,127.89 204.47,127.89 200.28,132.08 181.48,132.08 179.07,129.67 173.61,129.67 167.77,123.83 120.14,123.83 116.97,127 115.32,127 113.92,128.4 101.19,128.4 98.65,130.94 58.67,130.94 57.53,132.08 52.32,132.08 51.54,131.29 41.76,131.29 41.08,131.97 35.7,131.97 35.69,131.98 30.89,131.98 30.56,131.65 28.37,131.65 24.92,128.19 12.88,128.19 12.62,127.94 12.62,125.7
3V3-STBY on L4: 7.52,46.91 13.18,46.91 13.44,47.17 13.44,49.73 13,50.16 11.35,50.16 10.46,51.05 10.46,63.88 6.35,68 6.35,104.22 12.37,110.24 12.37,120.8 12.41,120.84 12.41,122.9 14.45,124.94 14.45,125.88 14.21,126.12 11.21,126.12 9.78,124.69 9.78,112.78 2.67,105.66 2.67,67.46 7.26,62.87 7.26,47.17
+3V3D on BOTTOM (solid shape): 210.01,86.21 210.01,85.57 209.88,85.45 206.96,85.45 206.83,85.57 206.83,86.84 206.96,86.97 209.24,86.97
+3V3D on BOTTOM (solid shape): 208.1,92.81 208.1,91.92 208.35,91.67 208.74,91.67 208.86,91.54 208.86,90.65 208.74,90.53 207.72,90.53 207.34,90.91 207.34,92.81 207.47,92.94 207.97,92.94
+3V3D on BOTTOM: 218.19,102.49 219.2,102.49 219.33,102.62 219.33,105.54 219.2,105.66 217.55,105.66 217.42,105.54 217.42,104.01 218.06,103.38 218.06,102.62
+3V3D on L3: 208.03,90.81 207.14,90.81 207.01,90.93 207.01,93.34 211.84,98.17 211.84,99.06 212.22,99.44 213.11,99.44 218.06,104.39 218.82,104.39 218.95,104.27 218.95,103.76 208.15,92.96 208.15,90.93
+3V3D on L4: 207.01,91.69 207.26,91.95 208.41,91.95 208.53,91.82 208.53,86.49 208.28,86.23 207.26,86.23 207.01,86.49
AVDD10 on BOTTOM: 88.98,151.05 89.28,150.75 92.74,150.75 93.07,150.42 93.07,149.96 92.58,149.48 92.58,148.51 92.66,148.44 94.08,148.44 94.56,148.92 94.56,151.82 94.17,152.21 89.39,152.21 88.98,151.81
AVDD33 on BOTTOM: 92.38,150.39 92.51,150.52 92.84,150.52 92.89,150.47 92.89,149.96 92.74,149.81 85.52,149.81 85.34,149.99 85.34,151 85.47,151.13 86.36,151.13 86.61,150.88 88.77,150.88 89.26,150.39
AVDD33 on L3: 87.76,150.62 92.84,150.62 92.96,150.5 92.96,149.86 92.84,149.73 87.63,149.73 87.5,149.86 87.5,150.37
DVDD on TOP: 44.58,139.7 44.7,139.7 44.83,139.57 44.83,138.94 44.96,138.81 45.21,138.81 45.47,138.56 45.47,136.14 45.34,136.02 44.7,136.02 44.45,136.27 44.45,139.57
DVDD10 on TOP: 88.14,145.92 88.27,146.05 88.52,146.05 88.65,145.92 88.65,145.29 88.01,144.65 87.12,144.65 87,144.78 87,144.91 88.01,145.92
DVDD10 on BOTTOM: 87.25,145.16 88.65,145.16 88.77,145.03 88.77,143.64 88.65,143.51 87.12,143.51 87,143.64 87,144.91
DVDD33 on TOP: 98.4,141.07 98.48,141 101.12,141 101.24,141.12 101.24,142.62 100.99,142.88 100.71,142.88 99.19,144.4 99.19,145.03 99.06,145.16 98.81,145.16 98.3,145.67 97.54,145.67 97.41,145.54 97.41,144.78 98.4,143.79
DVDD33 on TOP: 84.96,152.15 82.04,152.15 81.53,151.64 81.53,149.35 81.66,149.22 82.3,149.22 82.42,149.35 82.42,151.13 82.8,151.51 84.96,151.51 85.09,151.64 85.09,152.02
DVDD33 on BOTTOM: 90.55,144.4 89.66,145.29 86.74,145.29 86.11,144.65 86.11,143.64 85.98,143.51 84.84,143.51 84.58,143.76 84.58,144.78 83.57,145.8 83.57,146.69 81.53,148.72 81.53,149.73 81.79,149.99 83.06,149.99 85.09,147.96 85.09,146.43 85.34,146.18 90.68,146.18 91.44,145.41 92.08,145.41 92.33,145.16 92.33,143.38 92.58,143.13 98.3,143.13 98.81,142.62 103,142.62 103.5,142.11 103.5,141.35 103.25,141.1 101.6,141.1 100.46,139.95 93.98,139.95 92.58,141.35 92.58,141.48 91.44,142.62 91.31,142.62 91.19,142.75 90.81,142.75 90.55,143
DVDD-CSI on TOP: 213.35,12.43 213.35,15.96 213.59,16.21 214.22,16.21 214.35,16.08 214.35,14.02 213.96,13.63 213.96,12.43 213.89,12.37 213.41,12.37
DVDD-CSI on TOP: 157.47,12.46 157.47,15.01 157.75,15.3 157.75,16.39 157.89,16.52 158.47,16.52 158.58,16.41 158.58,14.2 158.08,13.69 158.08,12.46 158.01,12.4 157.53,12.4
DVDD-CSI on TOP: 184.53,23.32 184.53,19 188.67,14.86 190.14,14.86 190.88,15.6 190.88,16.36 187.53,19.71 187.53,22.96 186.92,23.57 184.78,23.57
DVDD-CSI on L3: 157.58,13.39 188.39,13.39 189.94,11.84 201.24,11.84 202.31,12.9 213.74,12.9 214.38,13.54 214.38,15.94 213.87,16.45 200.44,16.45 199.42,15.42 190.88,15.42 189.46,16.84 157.58,16.84 157.45,16.71 157.45,13.51
